# Altium PCB higgs.PcbDoc (part 11 of 25) (continued)
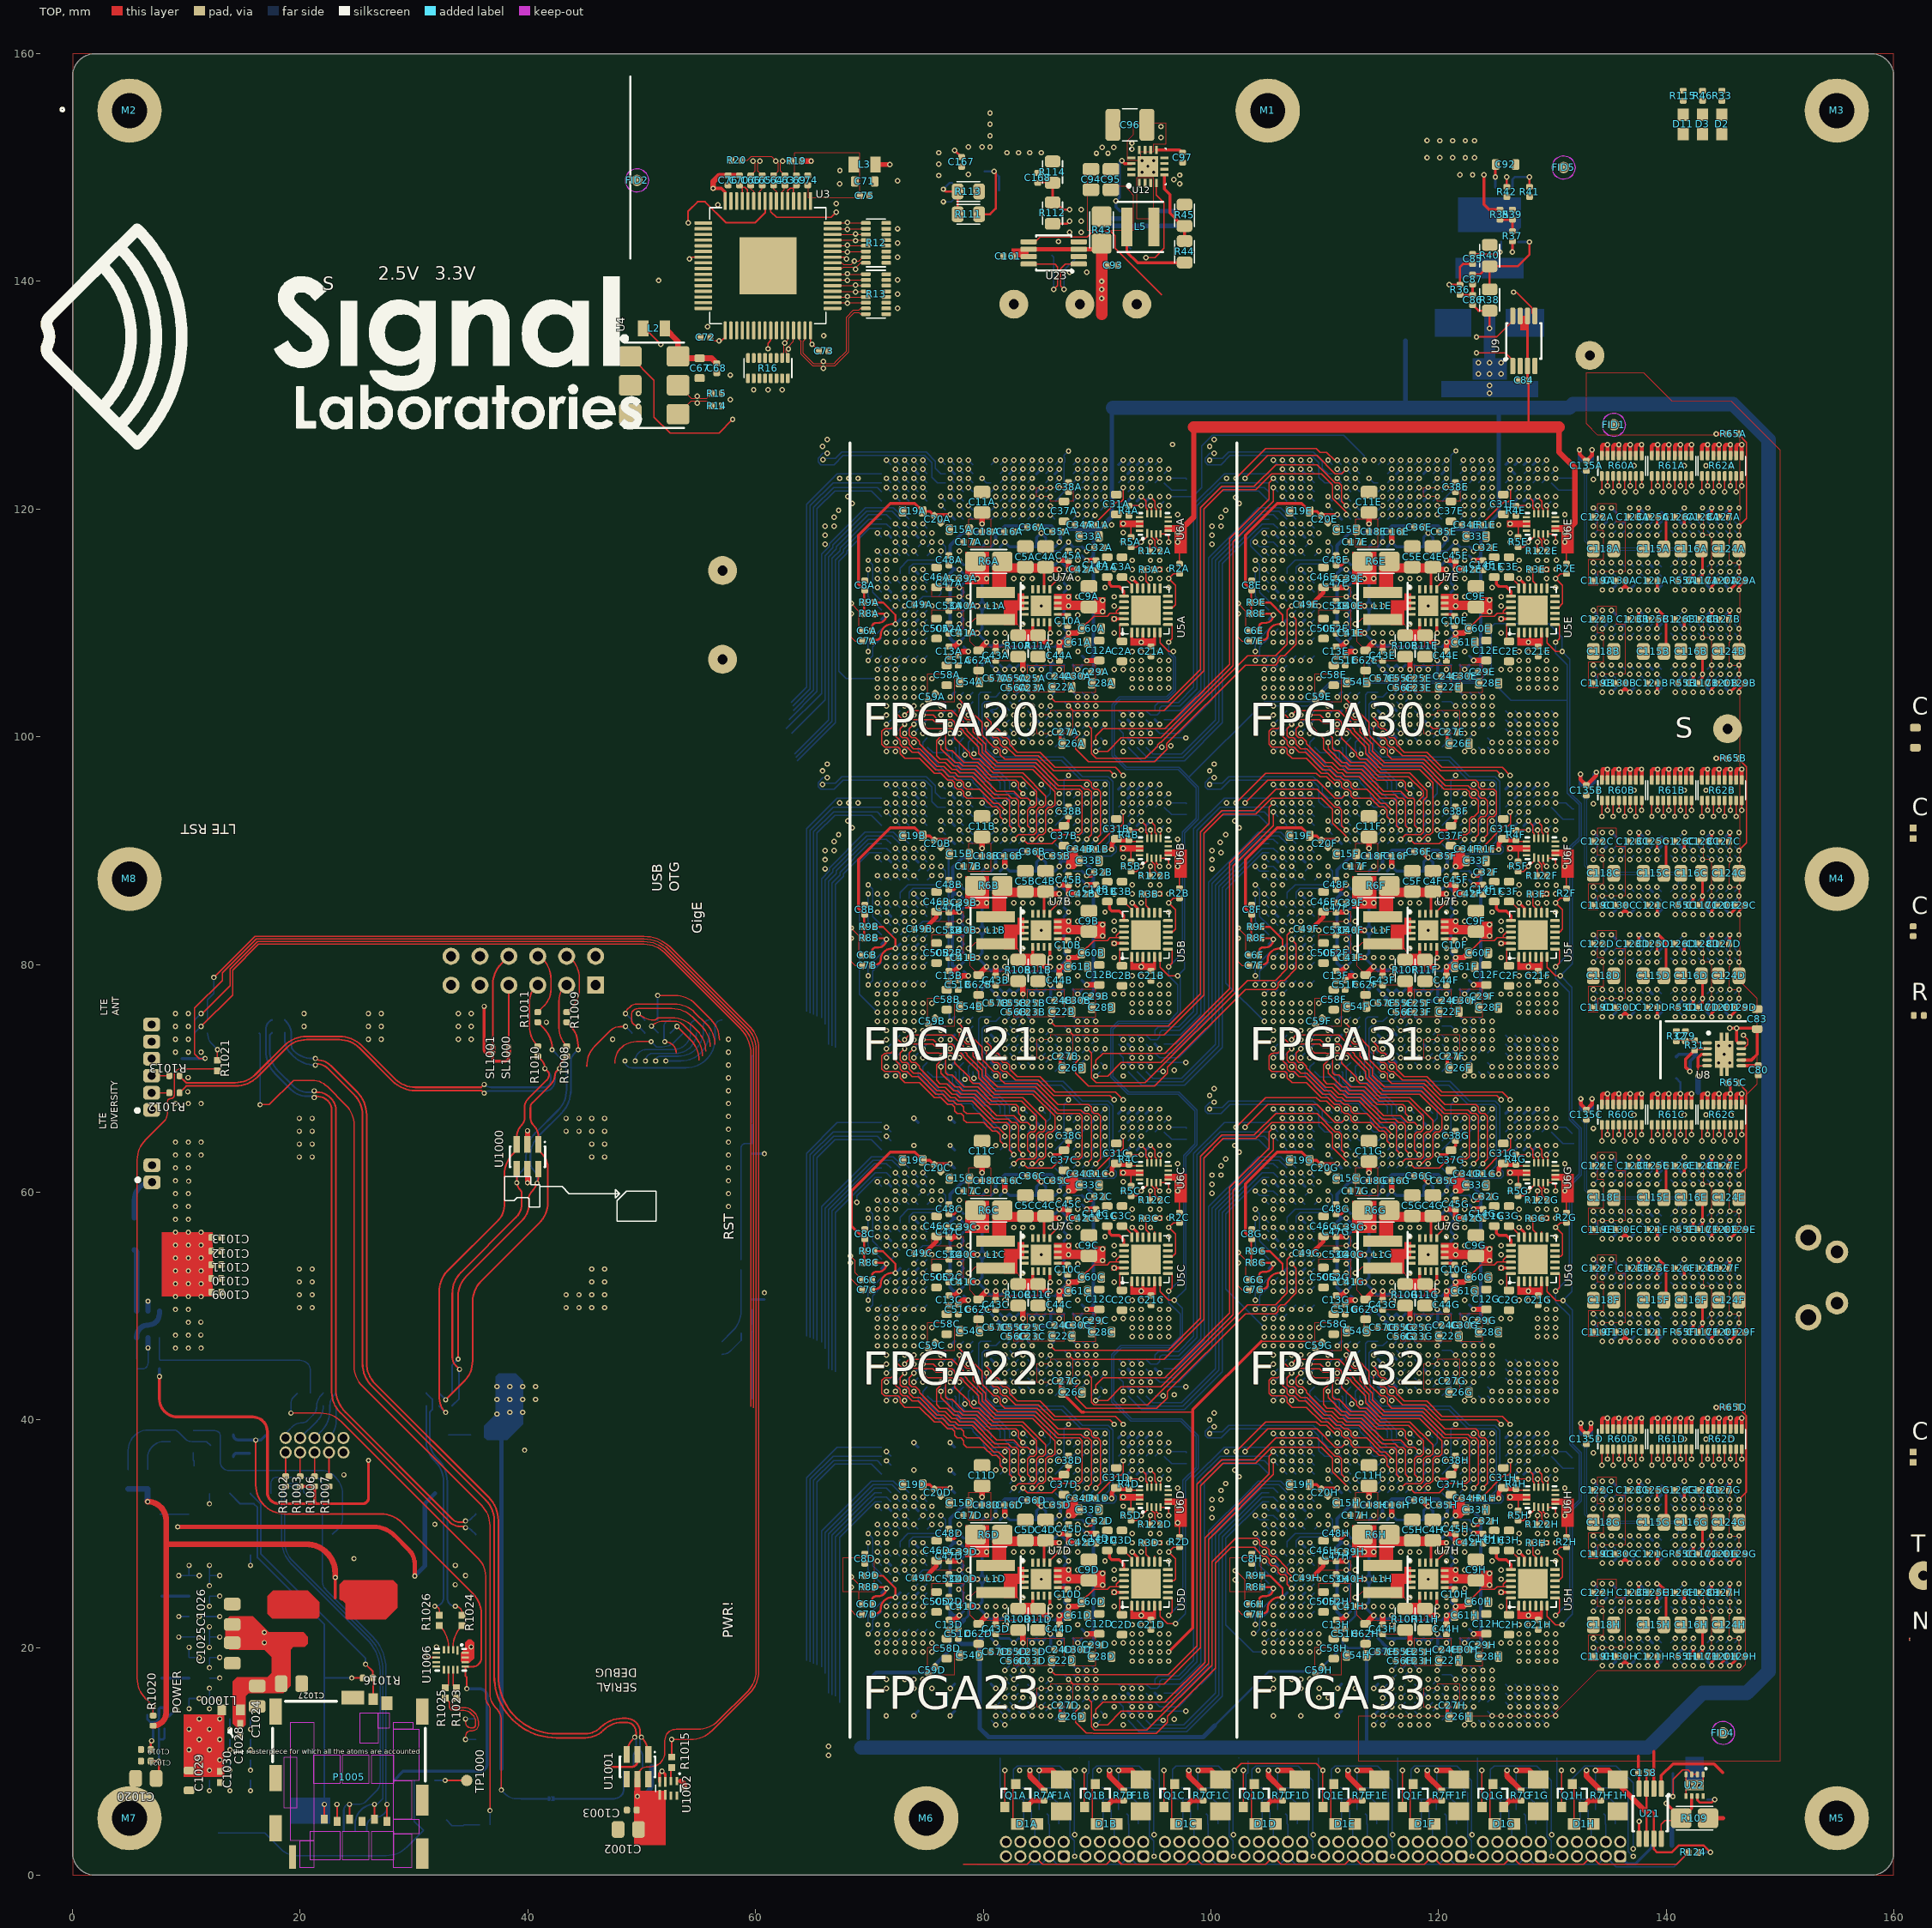
[diagram p0: TOP view]
## Nets (pads, with @x,y where several pads share a name; then routed paths per layer and width w, separated by ;. In a path a pad name is that pad's centre, name@x,y a point inside that pad or via, vN(x,y) a via of type N, cw(c..) or ccw(c..) an arc to the next point about the centre after c; other vN are vias at no path point) (continued)
  BOT w0.102: U1C.AB31@87.9,42.9 v1(88.3,43.3) ; v1(107.1,53.7) U1G.D17@107.5,54.1
IL07_32.LR.G3.S_P: U1C.AC30 U1G.C17 | length 28.8
  TOP w0.102: v1(89.1,44.1) 89.499,43.701 89.499,41.536 89.735,41.301 94.436,41.301 103.236,50.101 105.665,50.101 106.699,51.135 106.699,54.099 v1(107.1,54.5)
  BOT w0.102: U1C.AC30@88.7,43.7 v1(89.1,44.1) ; U1G.C17@106.7,54.1 v1(107.1,54.5)
IL07_32.TB.G8.D0_N: U1C.AG29 U1G.D9 | length 27.1
  S2(H) w0.102: v1(92.3,44.1) 92.699,44.499 96.323,44.499 101.981,50.157 101.981,50.981 103.501,52.501 103.501,57.865 103.735,58.099 104.064,58.099 104.301,58.336 104.301,58.665 104.535,58.899 104.864,58.899 105.099,59.135 105.099,59.464 105.335,59.699 105.599,59.699 105.601,59.701 105.665,59.701 105.9,59.936 105.9,60.264 106.135,60.499 106.464,60.499 106.864,60.9 v1(107.1,60.9)
  BOT w0.102: U1C.AG29@91.9,44.5 v1(92.3,44.1) ; v1(107.1,60.9) U1G.D9@107.5,60.5
IL07_32.TB.G8.D0_P: U1C.AG28 U1G.F9 | length 34.2
  S2(H) w0.102: v1(92.3,44.9) 91.901,44.501 91.901,43.935 92.936,42.899 93.265,42.899 93.501,42.664 93.501,42.199 93.999,41.701 97.165,41.701 102.895,47.431 102.895,50.602 105.592,53.299 107.264,53.299 107.499,53.535 107.499,55.135 107.501,55.136 107.501,57.065 107.735,57.299 108.064,57.299 108.301,57.536 108.301,58.274 109.099,59.073 109.099,60.501 v1(108.7,60.9)
  BOT w0.102: U1C.AG28@91.9,45.3 v1(92.3,44.9) ; v1(108.7,60.9) U1G.F9@109.1,60.5
IL07_32.TB.G8.D1_N: U1C.AH28 U1G.A9 | length 23.6
  S2(H) w0.102: v1(93.1,44.9) 93.69,45.49 96.452,45.49 101.371,50.409 101.371,51.233 102.891,52.753 102.891,58.487 104.3,59.895 104.3,60.5 v1(104.7,60.9)
  BOT w0.102: U1C.AH28@92.7,45.3 v1(93.1,44.9) ; v1(104.7,60.9) U1G.A9@105.1,60.5
IL07_32.TB.G8.D1_P: U1C.AJ28 U1G.C9 | length 24.2
  S2(H) w0.102: v1(93.9,44.9) 96.293,44.9 101.676,50.283 101.676,51.107 103.196,52.627 103.196,58.361 104.535,59.699 104.864,59.699 105.099,59.935 105.099,60.264 105.335,60.499 105.581,60.499 ; 105.582,60.5 105.664,60.5 106.064,60.9 v1(106.3,60.9)
  BOT w0.102: U1C.AJ28@93.5,45.3 v1(93.9,44.9) ; v1(106.3,60.9) U1G.C9@106.7,60.5
IL07_32.TB.G8.D2_N: U1C.AG30 U1G.C11 | length 28.7
  S6(H) w0.102: v1(92.3,42.5) 92.701,42.901 93.265,42.901 93.499,43.135 93.499,43.464 93.735,43.699 93.898,43.699 93.9,43.701 94.865,43.701 95.099,43.935 95.099,43.999 95.101,44.001 95.101,44.265 95.717,44.882 96.889,44.882 101.914,49.908 101.914,58.679 102.936,59.7 105.9,59.7 v1(106.3,59.3)
  BOT w0.102: U1C.AG30@91.9,43.7 92.3,43.3 v1(92.3,42.5) ; v1(106.3,59.3) U1G.C11@106.7,58.9
IL07_32.TB.G8.D2_P: U1C.AH30 U1G.D11 | length 28.6
  S6(H) w0.102: v1(93.1,43.3) 93.1,43.536 93.499,43.935 93.499,44.099 ; 93.5,44.1 93.5,44.264 93.736,44.5 94.064,44.5 94.751,45.186 96.762,45.186 101.61,50.034 101.61,58.805 103.304,60.499 104.699,60.499 ; 104.7,60.5 106.464,60.5 106.699,60.265 106.699,59.701 v1(107.1,59.3)
  BOT w0.102: U1C.AH30@92.7,43.7 v1(93.1,43.3) ; v1(107.1,59.3) U1G.D11@107.5,58.9
IL07_32.TB.G8.D3_N: U1C.AK30 U1G.C10 | length 25.8
  S2(H) w0.102: v1(94.7,43.3) 95.986,43.3 102.59,49.904 102.59,50.728 105.101,53.239 105.101,57.065 105.335,57.299 105.704,57.299 107.499,59.095 107.499,59.299 ; v1(106.3,60.1) 106.536,60.1 106.935,60.499 107.265,60.499 107.5,60.264 107.5,59.3
  BOT w0.102: U1C.AK30@94.3,43.7 v1(94.7,43.3) ; v1(106.3,60.1) U1G.C10@106.7,59.7
IL07_32.TB.G8.D3_P: U1C.AK29 U1G.D10 | length 24.3
  S2(H) w0.102: v1(94.7,44.1) 95.099,43.701 95.956,43.701 102.286,50.03 102.286,50.855 104.301,52.87 104.301,57.865 104.535,58.099 104.864,58.099 105.099,58.335 105.099,58.399 105.101,58.401 105.101,58.665 105.335,58.899 105.664,58.899 105.899,59.135 105.899,59.299 105.901,59.301 105.901,59.465 106.135,59.699 106.701,59.699 107.1,60.098 v1(107.1,60.1)
  BOT w0.102: U1C.AK29@94.3,44.5 v1(94.7,44.1) ; v1(107.1,60.1) U1G.D10@107.5,59.7
IL07_32.TB.G13.C_N: U1C.AE32 U1G.B4 | length 33.4
  TOP w0.102: v1(89.9,41.7) 90.936,41.7 92.135,42.899 92.199,42.899 92.2,42.9 95.605,42.9 101.951,49.246 101.951,60.151 105.5,63.7 v1(105.5,64.9)
  BOT w0.102: v1(89.9,41.7) U1C.AE32@90.3,42.1 ; v1(105.5,64.9) U1G.B4@105.9,64.5
IL07_32.TB.G13.C_P: U1C.AD32 U1G.B3 | length 34
  TOP w0.102: v1(89.9,42.5) 89.9,43.064 90.535,43.699 95.973,43.699 101.646,49.373 101.646,60.415 105.101,63.87 105.101,65.301 v1(105.5,65.7)
  BOT w0.102: U1C.AD32@89.5,42.1 v1(89.9,42.5) ; v1(105.5,65.7) U1G.B3@105.9,65.3
IL07_32.TB.G13.D0_N: U1C.AK28 U1G.A3 | length 29.1
  BOT w0.102: U1C.AK28@94.3,45.3 94.7,44.9 95.266,44.9 95.5,45.134 95.5,45.5 95.6,45.6 95.635,45.6 95.734,45.7 96.066,45.7 96.161,45.605 97.181,45.605 98.805,47.229 98.805,63.291 100.814,65.3 U1G.A3@105.1,65.3
IL07_32.TB.G13.D0_P: U1C.AL28 U1G.A2 | length 28.3
  BOT w0.102: U1C.AL28@95.1,45.3 95.1,45.7 95.405,46.005 97.149,46.005 98.5,47.355 98.5,63.417 101.183,66.1 U1G.A2@105.1,66.1
IL07_32.TB.G13.D1_N: U1C.AM29 U1G.A5 | length 27.3
  BOT w0.102: U1C.AM29@95.9,44.5 96.938,44.5 99.414,46.977 99.414,63.039 100.976,64.6 104.2,64.6 U1G.A5@105.1,63.7
IL07_32.TB.G13.D1_P: U1C.AM28 U1G.A4 | length 26.9
  BOT w0.102: U1C.AM28@95.9,45.3 97.307,45.3 99.11,47.103 99.11,63.165 100.85,64.905 104.695,64.905 U1G.A4@105.1,64.5
IL07_32.TB.G13.D2_N: U1C.AL30 U1G.C7 | length 27.4
  BOT w0.102: U1C.AL30@95.1,43.7 95.5,43.3 95.9,43.3 97.162,43.3 100.105,46.243 100.105,58.593 103.23,61.718 104.316,62.805 105.995,62.805 U1G.C7@106.7,62.1
IL07_32.TB.G13.D2_P: U1C.AM30 U1G.D7 | length 27
  BOT w0.102: U1C.AM30@95.9,43.7 96.7,43.7 99.8,46.8 99.8,58.72 103.103,62.023 104.19,63.109 106.122,63.109 106.731,62.5 107.1,62.5 U1G.D7@107.5,62.1
IL07_32.TB.G13.D3_N: U1C.AJ32 U1G.A7 | length 28.8
  BOT w0.102: U1C.AJ32@93.5,42.1 94.41,41.19 97.553,41.19 100.714,44.352 100.714,58.341 103.482,61.109 104.473,62.1 U1G.A7@105.1,62.1
IL07_32.TB.G13.D3_P: U1C.AK32 U1G.B7 | length 28.9
  BOT w0.102: U1C.AK32@94.3,42.1 94.905,41.495 97.426,41.495 100.41,44.479 100.41,58.467 103.356,61.414 104.442,62.5 105.5,62.5 U1G.B7@105.9,62.1
IL07_32.TB.G13.D4_N: U1C.AJ31 U1G.E8 | length 28.8
  S6(H) w0.102: v1(93.9,42.5) 94.3,42.9 94.864,42.9 95.709,43.745 96.183,43.745 102.795,50.357 102.795,53.631 102.799,53.635 102.799,53.965 102.795,53.969 102.795,54.531 102.799,54.535 102.799,54.865 102.795,54.869 102.795,57.96 103.735,58.899 103.799,58.899 ; 103.8,58.9 106.3,58.9 ; 106.301,58.901 107.265,58.901 107.499,59.135 107.499,59.299 107.501,59.301 107.501,61.301 v1(107.9,61.7)
  BOT w0.102: U1C.AJ31@93.5,42.9 v1(93.9,42.5) ; v1(107.9,61.7) U1G.E8@108.3,61.3
IL07_32.TB.G13.D4_P: U1C.AK31 U1G.F8 | length 28.9
  S6(H) w0.102: v1(94.7,42.5) 94.895,42.5 95.835,43.44 96.309,43.44 103.1,50.231 103.1,53.505 103.104,53.508 103.104,54.092 103.1,54.095 103.1,54.405 103.104,54.408 103.104,54.992 103.1,54.995 103.1,57.464 103.735,58.099 107.699,58.099 108.301,58.701 108.301,61.301 v1(108.7,61.7)
  BOT w0.102: U1C.AK31@94.3,42.9 v1(94.7,42.5) ; v1(108.7,61.7) U1G.F8@109.1,61.3
IL07_32.TB.G13.D5_N: U1C.AL32 U1G.C8 | length 34.7
  S6(H) w0.102: v1(95.8,42.1) 96.099,41.801 97.265,41.801 104.299,48.835 104.299,49.799 104.301,49.801 104.301,56.265 104.535,56.499 108.864,56.499 109.9,57.536 109.9,60.7 ; v1(106.3,61.7) 106.3,61.8 106.982,62.482 108.914,62.482 109.899,61.496 109.899,60.701
  BOT w0.102: U1C.AL32@95.1,42.1 v1(95.8,42.1) ; v1(106.3,61.7) U1G.C8@106.7,61.3
IL07_32.TB.G13.D5_P: U1C.AM31 U1G.D8 | length 30.9
  S6(H) w0.102: v1(97.8,42.9) 103.405,48.505 103.405,53.378 103.409,53.382 103.409,54.218 103.405,54.222 103.405,54.278 103.409,54.282 103.409,55.118 103.405,55.122 103.405,56.205 104.5,57.3 108.864,57.3 109.1,57.536 109.1,61.864 108.865,62.099 107.801,62.099 107.8,62.1 107.5,62.1 v1(107.1,61.7)
  BOT w0.102: U1C.AM31@95.9,42.9 v1(97.8,42.9) ; v1(107.1,61.7) U1G.D8@107.5,61.3
IL07_32.TB.G13.D6: U1C.AH32 U1G.B8 | length 30.7
  BOT w0.102: U1C.AH32@92.7,42.1 93.914,40.886 97.679,40.886 101.019,44.226 101.019,58.215 103.608,60.804 104.505,61.7 105.5,61.7 U1G.B8@105.9,61.3
IL07_33.LR.G0.D0_N: U1D.U26 U1H.D5 | length 40
  S2(H) w0.102: v1(84.3,18) 84.3,19.036 85.499,20.235 85.499,28.564 85.735,28.799 97.669,28.799 99.023,30.153 99.023,34.578 100.845,36.4 104.936,36.4 105.336,35.999 106.701,35.999 v1(107.1,35.6)
  BOT w0.102: U1D.U26@83.9,18.4 v1(84.3,18) ; v1(107.1,35.6) U1H.D5@107.5,35.2
IL07_33.LR.G0.D0_P: U1D.U27 U1H.C5 | length 38.8
  S2(H) w0.102: v1(84.3,17.2) 84.3,17.436 84.699,17.835 84.699,19.004 85.804,20.108 85.804,20.539 86.299,21.035 86.299,27.764 86.535,27.999 97.301,27.999 99.328,30.027 99.328,34.452 100.971,36.095 104.809,36.095 105.305,35.6 v1(106.3,35.6)
  BOT w0.102: U1D.U27@83.9,17.6 v1(84.3,17.2) ; v1(106.3,35.6) U1H.C5@106.7,35.2
IL07_33.LR.G0.D1_N: U1D.T27 U1H.C3 | length 45.6
  S2(H) w0.102: 82.3,17.6 82.3,19.1 83.099,19.899 83.099,20.399 ; 82.301,17.599 82.301,17.035 82.535,16.801 83.399,16.801 83.4,16.8 83.664,16.8 83.899,17.035 83.899,17.599 83.5,17.998 v1(83.5,18) ; 83.1,20.4 83.1,28.564 85.736,31.2 96.786,31.2 96.935,31.349 97.265,31.349 97.266,31.35 97.275,31.35 98.109,32.184 98.109,34.957 101.741,38.59 104.715,38.59 105.02,38.284 105.4,37.904 105.792,37.904 106.3,37.395 v1(106.3,37.2)
  BOT w0.102: U1D.T27@83.1,17.6 v1(83.5,18) ; v1(106.3,37.2) U1H.C3@106.7,36.8
IL07_33.LR.G0.D1_P: U1D.R27 U1H.C4 | length 40.9
  S2(H) w0.102: v1(82.7,17.2) 83.1,17.6 83.1,18.636 84.699,20.235 84.699,20.499 ; 84.7,20.5 84.7,28.2 86.099,29.599 98.038,29.599 98.718,30.279 98.718,34.705 100.814,36.8 105.664,36.8 106.064,36.4 v1(106.3,36.4)
  BOT w0.102: U1D.R27@82.3,17.6 v1(82.7,17.2) ; v1(106.3,36.4) U1H.C4@106.7,36
IL07_33.LR.G0.D2_N: U1D.T26 U1H.E4 | length 42.6
  S2(H) w0.102: v1(82.7,18) 82.7,19.036 83.899,20.235 83.899,20.399 ; 83.9,20.4 83.9,28.564 85.736,30.401 97.386,30.401 98.414,31.428 98.414,34.831 101.182,37.599 105.665,37.599 105.899,37.365 105.899,37.036 106.135,36.801 107.499,36.801 v1(107.9,36.4)
  BOT w0.102: v1(82.7,18) U1D.T26@83.1,18.4 ; v1(107.9,36.4) U1H.E4@108.3,36
IL07_33.LR.G0.D2_P: U1D.R26 U1H.D4 | length 46.6
  S2(H) w0.102: v1(81.9,18) 81.9,19.836 82.299,20.235 82.299,22.3 82.301,22.302 82.301,28.565 85.735,31.999 96.095,31.999 97.804,33.708 97.804,35.083 101.615,38.894 104.841,38.894 105.336,38.399 107.735,38.399 108.065,38.399 108.299,38.165 108.299,36.4 108.299,36.235 108.065,36.001 107.499,36.001 v1(107.1,36.4)
  BOT w0.102: v1(81.9,18) U1D.R26@82.3,18.4 ; v1(107.1,36.4) U1H.D4@107.5,36
IL07_33.LR.G0.D3_N: U1D.P29 U1H.F5 | length 51.6
  S2(H) w0.102: v1(81.1,15.6) 80.7,16 80.7,28.564 85.635,33.499 91.3,33.499 91.801,34 96.3,34 97.066,34.766 97.066,34.777 97.194,34.905 97.194,35.336 101.362,39.504 108.796,39.504 109.404,38.896 109.404,36.304 v1(108.7,35.6)
  BOT w0.102: v1(81.1,15.6) U1D.P29@81.5,16 ; v1(108.7,35.6) U1H.F5@109.1,35.2
IL07_33.LR.G0.D3_P: U1D.P28 U1H.F4 | length 48.6
  S2(H) w0.102: v1@81.9,16.4 81.5,16.8 81.5,28.195 85.608,32.304 91.639,32.304 92.135,32.799 92.399,32.799 ; v1@81.901,16.401 v1(81.906,16.401) ; 92.4,32.8 96.464,32.8 97.499,33.835 97.499,35.21 101.489,39.199 108.065,39.199 108.301,38.964 108.301,38.635 108.536,38.399 108.865,38.399 109.099,38.165 109.099,36.799 v1(108.7,36.4)
  BOT w0.102: U1D.P28@81.5,16.8 v1@81.9,16.4 ; v1@81.901,16.401 v1(81.906,16.401) ; v1(108.7,36.4) U1H.F4@109.1,36
IL07_33.LR.G0.D4_N: U1D.U28 U1H.D2 | length 42
  S6(H) w0.102: v1(84.306,16.401) 84.706,16.801 85.265,16.801 85.499,17.035 85.499,19.95 85.499,23.764 85.735,23.999 88.399,23.999 90.501,26.101 90.665,26.101 90.964,26.399 91.664,26.399 92.465,27.201 96.639,27.201 98.998,29.56 98.998,34.984 101.613,37.599 105.665,37.599 105.899,37.365 105.899,37.036 106.135,36.801 107.265,36.801 107.499,37.035 107.499,37.601 v1(107.1,38)
  BOT w0.102: U1D.U28@83.9,16.8 84.299,16.401 v1(84.306,16.401) ; v1(107.1,38) U1H.D2@107.5,37.6
  other v1: 101.4,37.2
IL07_33.LR.G0.D4_P: U1D.T29 U1H.D3 | length 43.1
  S6(H) w0.102: v1(82.7,15.6) 82.936,15.6 83.484,16.148 83.627,16.148 83.811,16.332 83.811,16.631 83.899,16.719 83.899,17.175 ; 83.899,17.175 83.899,17.364 84.135,17.599 84.464,17.599 84.699,17.835 84.699,24.099 85.401,24.801 88.465,24.801 90.101,26.436 90.101,26.665 90.636,27.201 91.401,27.201 92.201,28.001 97.008,28.001 98.693,29.686 98.693,35.11 101.583,38 101.592,38 102.153,38.562 104.743,38.562 105.21,38.094 105.641,38.094 106.136,37.599 106.701,37.599 v1(107.1,37.2)
  BOT w0.102: v1(82.7,15.6) U1D.T29@83.1,16 ; v1(107.1,37.2) U1H.D3@107.5,36.8
IL07_33.LR.G0.S_N: U1D.T28 U1H.C2 | length 42
  S6(H) w0.102: v1@82.8,16.495 v1(82.706,16.401) 83.151,16.401 83.404,16.654 83.404,17.304 83.901,17.801 83.901,18.165 84.175,18.439 84.175,19.961 83.901,20.235 83.901,20.399 83.901,20.601 84.364,21.064 84.364,24.664 85.301,25.601 88.136,25.601 90.736,28.2 91.969,28.2 92.075,28.306 92.23,28.306 92.725,28.801 97.101,28.801 98.109,29.809 98.109,35.151 101.824,38.866 104.869,38.866 105.336,38.399 105.899,38.399 106.298,38 v1(106.3,38)
  BOT w0.102: v1(82.706,16.401) 82.706,16.406 U1D.T28@83.1,16.8 ; v1(106.3,38) U1H.C2@106.7,37.6
IL07_33.LR.G0.S_P: U1D.R29 U1H.B1 | length 42.3
  S6(H) w0.102: v1(81.9,15.6) 82.305,16.005 82.305,16.599 82.506,16.8 82.864,16.8 83.099,17.035 83.099,20.564 83.313,20.777 83.313,20.913 83.899,21.499 83.899,25.364 84.936,26.401 88.465,26.401 90.664,28.6 91.8,28.6 92.5,29.3 92.8,29.6 96.83,29.6 97.804,30.574 97.804,35.277 101.698,39.171 105.3,39.171 105.5,38.971 v1(105.5,38.8)
  BOT w0.102: v1(81.9,15.6) U1D.R29@82.3,16 ; v1(105.5,38.8) U1H.B1@105.9,38.4
IL07_33.LR.G1.D0_N: U1D.P30 U1H.E1 | length 46.5
  S6(H) w0.102: v1(81.1,14.8) 81.501,15.201 81.501,16.56 81.741,16.8 82.075,16.8 82.301,17.026 82.301,17.85 82.301,20.701 83.1,21.5 83.1,25.538 84.763,27.201 88.601,27.201 91.801,30.401 97.2,30.401 97.499,30.7 97.499,35.404 101.571,39.476 107.224,39.476 v1(107.9,38.8)
  BOT w0.102: v1(81.1,14.8) U1D.P30@81.5,15.2 ; v1(107.9,38.8) U1H.E1@108.3,38.4
IL07_33.LR.G1.D0_P: U1D.P31 U1H.F2 | length 49.6
  S6(H) w0.102: v1(81.9,14) 81.499,14.401 80.935,14.401 80.701,14.635 80.701,14.999 80.7,15 80.7,16.564 80.936,16.8 81.264,16.8 81.501,17.037 81.501,20.332 82.251,21.082 82.251,21.549 82.604,21.902 82.604,25.473 85.132,28.001 88.502,28.001 91.702,31.201 96.465,31.201 96.701,31.436 96.701,35.036 101.445,39.781 107.484,39.781 108.299,38.965 108.299,38.702 108.301,38.7 108.301,38.401 108.7,38.002 v1(108.7,38)
  BOT w0.102: U1D.P31@81.5,14.4 v1(81.9,14) ; v1(108.7,38) U1H.F2@109.1,37.6
IL07_33.LR.G1.D1_N: U1D.T30 U1H.H1 | length 45.2
  S6(H) w0.102: v1@83.61,15.7 83.909,15.999 85.269,15.999 85.505,16.235 85.505,16.564 85.741,16.8 86.11,16.8 86.301,16.991 86.301,21.123 86.299,21.125 86.299,21.835 88.159,23.694 88.525,23.694 89.931,25.1 91.164,25.1 92.961,26.896 96.765,26.896 99.303,29.434 99.303,34.858 101.245,36.8 105.664,36.8 105.899,36.565 105.899,36.401 105.901,36.399 105.901,36.235 106.136,35.999 107.264,35.999 107.501,36.236 107.501,36.565 107.736,36.801 108.065,36.801 108.299,37.035 108.299,37.364 108.536,37.601 108.865,37.601 109.099,37.835 109.099,38.401 109.498,38.8 v1(110.3,38.8)
  BOT w0.102: U1D.T30@83.1,15.2 v1(83.5,15.6) ; v1(110.3,38.8) U1H.H1@110.7,38.4
IL07_33.LR.G1.D1_P: U1D.R30 U1H.F1 | length 50.1
  S6(H) w0.102: v1@82.81,14.855 83.156,15.201 84.465,15.201 86.065,15.201 86.299,15.435 86.299,15.498 ; 86.3,15.499 86.3,16.23 86.305,16.235 86.305,16.564 86.794,17.053 86.794,19.025 87.099,19.33 87.099,22.199 88.29,23.39 88.652,23.39 89.662,24.4 91.614,24.4 93.806,26.591 96.891,26.591 99.607,29.307 99.607,34.732 101.371,36.495 104.84,36.495 106.135,35.201 107.265,35.201 107.499,35.435 107.499,35.764 107.735,35.999 107.898,35.999 107.9,36.001 108.065,36.001 108.299,36.235 108.299,36.564 108.536,36.801 108.865,36.801 109.099,37.035 109.099,37.404 109.41,37.715 110.015,37.715 110.7,38.4 110.7,39.1 110.505,39.295 109.195,39.295 v1(108.7,38.8)
  BOT w0.102: U1D.R30@82.3,15.2 v1(82.7,14.8) ; v1(108.7,38.8) U1H.F1@109.1,38.4
IL07_33.LR.G1.D2_N: U1D.P32 U1H.H3 | length 52.8
  S1(V) w0.102: v1(81.9,13.2) 82.3,13.6 82.3,16.23 82.305,16.235 82.305,16.566 82.3,16.571 82.3,21 86.901,25.601 88.096,25.601 91.295,28.799 96.5,28.799 97.804,30.103 97.804,33.201 100.205,35.602 100.205,38.425 100.394,38.615 v1@100.394,39.306
  BOT w0.102: U1D.P32@81.5,13.6 v1(81.9,13.2) ; v1(100.3,39.4) 99.936,39.4 99.501,38.965 99.501,38.635 99.735,38.401 100.901,38.401 101.699,39.199 108.865,39.199 108.932,39.132 109.5,38.566 109.5,37.3 110,36.8 U1H.H3@110.7,36.8
IL07_33.LR.G1.D2_P: U1D.N32 U1H.H2 | length 49.6
  S1(V) w0.102: v1(81.1,13.2) 81.499,13.599 81.499,21.035 86.865,26.401 88.465,26.401 90.9,28.836 90.9,29.7 92.401,31.201 96.786,31.201 96.935,31.349 96.936,31.361 97.499,31.924 97.499,33.328 99.9,35.729 v1(99.9,38.8)
  BOT w0.102: U1D.N32@80.7,13.6 v1(81.1,13.2) ; v1@99.933,38.933 101.002,38.933 101.573,39.504 108.993,39.504 109.805,38.692 109.805,38.1 110.305,37.6 U1H.H2@110.7,37.6
IL07_33.LR.G1.D3_N: U1D.Y30 U1H.K3 | length 42.7
  S1(V) w0.102: v1(85.9,15.6) 85.499,16.001 85.499,16.229 85.505,16.235 85.505,16.566 85.499,16.572 85.499,20.099 87.001,21.601 90.065,21.601 93.501,25.036 93.501,25.365 93.736,25.6 96.793,25.6 99.023,27.83 99.023,31.723 99.5,32.2 v1(100.1,32.2)
  S5(V) w0.102: v1(100.1,32.2) 100.5,32.6 100.5,33.164 100.736,33.401 103.166,33.401 103.974,34.209 109,34.209 109.901,35.11 109.901,36.1 110.6,36.799 111.264,36.799 111.664,37.2 v1(111.9,37.2)
  BOT w0.102: v1(85.9,15.6) U1D.Y30@86.3,15.2 ; v1(111.9,37.2) U1H.K3@112.3,36.8
IL07_33.LR.G1.D3_P: U1D.W30 U1H.J3 | length 44
  S1(V) w0.102: v1(85.1,14.8) 84.701,15.199 84.701,16.231 84.705,16.235 84.705,16.566 84.701,16.57 84.701,20.901 86.2,22.4 86.699,22.4 ; 86.7,22.401 89.615,22.401 94.109,26.894 97.656,26.894 98.718,27.956 98.718,32.809 99.71,33.8 v1(100.9,33.8)
  S5(V) w0.102: v1(100.9,33.8) 103.134,33.8 103.848,34.514 108.874,34.514 109.596,35.236 109.596,36.226 110.57,37.2 v1(111.1,37.2)
  BOT w0.102: v1(85.1,14.8) U1D.W30@85.5,15.2 ; v1(111.1,37.2) U1H.J3@111.5,36.8
IL07_33.LR.G1.D4_N: U1D.U30 U1H.L1 | length 53.5
  S1(V) w0.102: v1(84.3,14.8) 83.901,15.199 83.901,16.231 83.905,16.235 83.905,16.566 83.901,16.57 83.901,21.739 85.362,23.2 89.2,23.2 91.1,25.1 91.1,26.799 ; 91.101,26.8 91.101,26.965 91.335,27.199 96.1,27.199 96.102,27.201 96.465,27.201 98.414,29.149 98.414,32.945 98.975,33.507 98.975,33.511 100.814,35.35 100.814,37.3 101.3,37.786 101.3,39.469 100.3,40.469 v1(100.3,40.6)
  S6(H) w0.102: v1(100.3,40.6) 111.6,40.6 112.7,39.5 v1(112.7,38.8)
  BOT w0.102: U1D.U30@83.9,15.2 v1(84.3,14.8) ; v1(112.7,38.8) U1H.L1@113.1,38.4
IL07_33.LR.G1.D4_P: U1D.U31 U1H.K1 | length 52.7
  S1(V) w0.102: v1(84.3,14) 83.1,15.2 83.1,16.23 83.105,16.235 83.105,16.566 83.1,16.571 83.1,21.369 85.73,23.999 88.624,23.999 90.101,25.476 90.101,26.665 90.636,27.201 90.865,27.201 91.665,28.001 96.465,28.001 98.109,29.644 98.109,33.075 100.51,35.476 100.51,38.299 100.699,38.489 100.699,39.565 100.264,40 v1(99.9,40)
  S2(H) w0.102: v1(99.9,40) 106.369,40 106.474,39.895 110.985,39.895 111.9,38.98 v1(111.9,38.8)
  BOT w0.102: U1D.U31@83.9,14.4 v1(84.3,14) ; v1(111.9,38.8) U1H.K1@112.3,38.4
IL07_33.LR.G1.S_N: U1D.T31 U1H.J1 | length 48.7
  TOP w0.102: v1(102.2,37.2) 104.8,39.8 109.28,39.8 109.585,39.495 110.169,39.495 110.864,38.8 v1(111.1,38.8)
  S1(V) w0.102: v1(83.5,14) 83.899,13.601 86.545,13.601 87.901,14.956 87.901,14.965 88.135,15.199 88.464,15.199 88.699,15.435 88.699,16.229 88.705,16.235 88.705,16.566 88.704,16.568 88.936,16.801 89.265,16.801 89.501,17.036 89.501,17.365 89.735,17.599 89.9,17.599 89.902,17.601 90.065,17.601 90.364,17.9 90.5,17.9 92.599,19.999 97.506,19.999 99.186,21.679 99.186,25.779 101.309,27.902 101.309,31.047 101.699,31.437 101.699,34.565 101.3,34.964 101.3,36.3 v1(102.2,37.2)
  BOT w0.102: U1D.T31@83.1,14.4 v1(83.5,14) ; v1(111.1,38.8) U1H.J1@111.5,38.4
IL07_33.LR.G1.S_P: U1D.R32 U1H.K2 | length 51
  TOP w0.102: v1(103,37.2) 104.999,39.199 109.336,39.199 110.935,37.601 111.501,37.601 v1(111.9,38)
  S1(V) w0.102: v1(82.7,14) 84.075,12.625 86.689,12.625 88.699,14.635 88.699,14.948 88.701,14.95 88.701,14.965 88.935,15.199 89.264,15.199 89.499,15.435 89.499,16.229 89.505,16.235 89.505,16.566 89.504,16.568 89.736,16.801 90.299,16.801 90.698,17.2 90.7,17.2 92.7,19.2 97.138,19.2 99.49,21.553 99.49,25.653 101.7,27.862 101.7,30.962 102.1,31.362 102.1,34.8 101.7,35.2 101.7,35.9 v1(103,37.2)
  BOT w0.102: U1D.R32@82.3,13.6 v1(82.7,14) ; v1(111.9,38) U1H.K2@112.3,37.6
IL07_33.LR.G2.D0_N: U1D.Y27 U1H.K7 | length 45.7
  TOP w0.102: v1(87.5,17.2) 87.899,16.801 95.901,16.801 99.1,20 99.1,34.2 101.1,36.2 103.936,36.2 105.336,37.6 109.705,37.6 110.699,36.605 110.699,35.601 110.701,35.599 110.701,35.435 111.9,34.236 v1(111.9,34)
  BOT w0.102: U1D.Y27@86.3,17.6 87.1,17.6 v1(87.5,17.2) ; v1(111.9,34) U1H.K7@112.3,33.6
IL07_33.LR.G2.D0_P: U1D.Y26 U1H.K6 | length 46.5
  TOP w0.102: v1(85.9,18) 86.3,17.6 96.269,17.6 98.795,20.126 98.795,34.326 100.974,36.505 103.809,36.505 105.704,38.399 109.336,38.399 110.935,36.801 111.198,36.801 111.2,36.799 111.265,36.799 111.499,36.565 111.499,36.236 111.501,36.235 111.501,35.199 v1(111.9,34.8)
  BOT w0.102: v1(85.9,18) U1D.Y26@86.3,18.4 ; v1(111.9,34.8) U1H.K6@112.3,34.4
IL07_33.LR.G2.D1_N: U1D.W28 U1H.L4 | length 38.4
  S2(H) w0.102: v1(85.9,17.2) 89.577,20.877 89.577,21.197 90.769,22.389 90.769,23.433 92.935,25.599 96.485,25.599 100.6,29.714 100.6,31.731 103.992,35.123 109.197,35.123 109.596,35.523 109.596,35.892 110.504,36.799 112.301,36.799 v1(112.7,36.4)
  BOT w0.102: U1D.W28@85.5,16.8 v1(85.9,17.2) ; v1(112.7,36.4) U1H.L4@113.1,36
IL07_33.LR.G2.D1_P: U1D.Y28 U1H.K5 | length 36.1
  S2(H) w0.102: v1(86.706,16.401) 86.706,16.958 86.7,16.964 90.186,20.451 90.186,20.944 93.053,23.81 95.559,23.81 101.21,29.461 101.21,31.479 104.245,34.514 109.449,34.514 110.136,35.201 111.501,35.201 v1(111.9,35.6)
  BOT w0.102: U1D.Y28@86.3,16.8 86.699,16.401 v1(86.706,16.401) ; v1(111.9,35.6) U1H.K5@112.3,35.2
IL07_33.LR.G2.D2_N: U1D.W29 U1H.N7 | length 41.1
  S2(H) w0.102: v1(85.906,16.401) 85.906,16.406 86.395,16.895 86.395,17.091 89.882,20.577 89.882,21.07 92.927,24.115 95.433,24.115 100.905,29.587 100.905,31.605 104.118,34.818 109.323,34.818 109.901,35.396 109.901,35.765 110.135,35.999 110.6,35.999 113.101,35.999 v1(115.1,34)
  BOT w0.102: U1D.W29@85.5,16 85.901,16.401 v1(85.906,16.401) ; U1H.N7@114.7,33.6 v1(115.1,34)
IL07_33.LR.G2.D2_P: U1D.Y29 U1H.N6 | length 46.7
  S6(H) w0.102: v1(86.7,15.6) 87.099,15.999 87.099,16.229 87.105,16.235 87.105,16.566 87.099,16.572 87.099,18.899 87.709,19.509 87.709,21.209 88.101,21.601 88.663,21.601 90.263,23.201 91.665,23.201 91.964,23.5 ; 91.96,23.504 93.055,24.6 98.256,24.6 100.315,26.66 100.315,30.815 104.396,34.896 107.761,34.896 108.299,35.435 108.299,35.498 108.301,35.5 108.301,35.765 108.535,35.999 109.099,35.999 109.901,36.801 112.936,36.801 113.736,37.601 114.464,37.601 115.501,36.564 115.501,35.201 v1(115.1,34.8)
  BOT w0.102: U1D.Y29@86.3,16 v1(86.7,15.6) ; U1H.N6@114.7,34.4 v1(115.1,34.8)
IL07_33.LR.G2.D3_N: U1D.AC27 U1H.P7 | length 38.2
  S2(H) w0.102: v1(89.1,17.2) 89.499,17.599 90.064,17.599 91.899,19.435 91.899,20.564 92.935,21.599 92.999,21.599 ; 93,21.6 96.464,21.6 96.65,21.786 96.735,21.701 97.065,21.701 97.299,21.935 97.299,22.265 97.214,22.35 98.182,23.318 98.182,24.71 102.429,28.956 102.429,30.974 104.254,32.799 110.598,32.799 110.6,32.801 115.101,32.801 115.9,33.6 v1(115.9,34)
  BOT w0.102: U1D.AC27@88.7,17.6 v1(89.1,17.2) ; U1H.P7@115.5,33.6 v1(115.9,34)
IL07_33.LR.G2.D3_P: U1D.AB26 U1H.P6 | length 39.1
  S2(H) w0.102: v1(88.3,18) 88.3,18.133 90.491,20.325 90.491,20.818 93.179,23.506 95.685,23.506 101.514,29.335 101.514,31.352 104.371,34.209 110.5,34.209 110.69,34.399 111,34.399 ; 111,34.4 111.8,34.4 112.065,34.401 112.299,34.635 112.299,34.964 112.535,35.199 113.336,35.199 114.935,33.601 115.265,33.601 115.5,33.836 115.5,34.4 v1(115.9,34.8)
  BOT w0.102: U1D.AB26@87.9,18.4 v1(88.3,18) ; U1H.P6@115.5,34.4 v1(115.9,34.8)
IL07_33.LR.G2.D4_N: U1D.AD26 U1H.L6 | length 34.9
  S2(H) w0.102: v1(89.9,18) 91.101,19.201 91.101,20.565 92.936,22.4 96.464,22.4 97.782,23.718 97.782,24.741 102.124,29.082 102.124,31.1 104.623,33.599 110.074,33.599 110.478,33.195 112.46,33.195 113.099,33.835 113.099,34.399 v1(112.7,34.8) v1(112.7,34.8)
  BOT w0.102: U1D.AD26@89.5,18.4 v1(89.9,18) ; v1(112.7,34.8) U1H.L6@113.1,34.4
IL07_33.LR.G2.D4_P: U1D.AC26 U1H.L7 | length 33.5
  S2(H) w0.102: v1(89.1,18) 90.796,19.696 90.796,20.692 93.305,23.201 95.811,23.201 101.819,29.209 101.819,31.226 104.497,33.904 110.201,33.904 110.605,33.5 112.2,33.5 v1(112.7,34)
  BOT w0.102: U1D.AC26@88.7,18.4 v1(89.1,18) ; v1(112.7,34) U1H.L7@113.1,33.6
IL07_33.LR.G2.S_N: U1D.AB27 U1H.N4 | length 41.4
  S6(H) w0.102: v1(88.3,17.2) 88.699,16.801 89.265,16.801 89.499,17.035 89.499,20.068 93.018,23.587 98.105,23.587 100.925,26.407 100.925,30.563 104.649,34.287 108.618,34.287 109.505,35.174 109.505,35.436 110.068,35.999 110.2,35.999 110.465,35.999 110.699,35.765 110.699,35.436 110.935,35.201 113.901,35.201 v1(115.1,36.4)
  BOT w0.102: U1D.AB27@87.9,17.6 v1(88.3,17.2) ; U1H.N4@114.7,36 v1(115.1,36.4)
IL07_33.LR.G2.S_P: U1D.AB28 U1H.N3 | length 41.3
  S6(H) w0.102: v1(88.306,16.401) 88.299,16.401 87.901,16.799 87.901,17.365 88.136,17.601 88.465,17.601 88.699,17.835 88.699,18.699 88.7,18.7 88.7,19.7 92.892,23.892 97.979,23.892 100.62,26.533 100.62,30.689 104.522,34.591 108.491,34.591 109.2,35.3 109.2,35.669 109.931,36.4 110.536,36.4 110.935,36.001 113.301,36.001 113.9,36.6 v1(113.9,37.2)
  BOT w0.102: U1D.AB28@87.9,16.8 88.299,16.401 v1(88.306,16.401) ; v1(113.9,37.2) 114.3,36.8 U1H.N3@114.7,36.8
IL07_33.LR.G3.D0_N: U1D.AE30 U1H.E3 | length 37.6
  S1(V) w0.102: v1(90.7,15.6) 93.1,18 96.8,18 100.1,21.3 100.1,25.4 102.404,27.704 102.404,30.804 103,31.4 103,35.4 102.8,35.6 v1(102.099,35.6)
  S5(V) w0.102: v1(102.099,35.6) 102.8,35.6 103.277,35.123 108,35.123 108.299,35.422 108.299,35.765 108.299,36.801 v1(107.9,37.2)
  BOT w0.102: U1D.AE30@90.3,15.2 v1(90.7,15.6) ; v1(107.9,37.2) U1H.E3@108.3,36.8
IL07_33.LR.G3.D0_P: U1D.AD30 U1H.F3 | length 37
  S1(V) w0.102: v1(89.9,15.6) 92.605,18.305 96.674,18.305 99.795,21.426 99.795,25.526 102.099,27.83 102.099,30.93 102.5,31.331 v1(102.5,35)
  S5(V) w0.102: v1(102.5,35) 102.682,34.818 108.483,34.818 109.099,35.435 109.099,36.801 v1(108.7,37.2) v1(108.7,37.2)
  BOT w0.102: U1D.AD30@89.5,15.2 v1(89.9,15.6) ; v1(108.7,37.2) U1H.F3@109.1,36.8
IL07_33.LR.G3.D1_N: U1D.Y32 U1H.D1 | length 39.8
  S1(V) w0.102: v1(87.5,15.6) 87.9,16 87.9,16.23 87.905,16.235 87.905,16.566 87.904,16.568 88.135,16.799 88.14,16.799 ; 88.141,16.8 88.464,16.8 88.701,17.036 88.701,17.365 88.935,17.599 89.264,17.599 89.5,17.836 89.5,18.964 94.236,23.7 96.9,23.7 98.881,25.681 98.881,25.905 101,28.024 101,31.088 101.004,31.093 ; 101,31.097 101,31.169 101.3,31.469 v1(101.3,34.4)
  S5(V) w0.102: v1(101.3,34.4) 101.3,35.365 101.934,35.999 107.099,35.999 107.101,36.001 107.265,36.001 107.5,36.236 107.5,38.4 v1(107.1,38.8)
  BOT w0.102: U1D.Y32@86.3,13.6 87.1,14.4 87.1,15.2 v1(87.5,15.6) ; v1(107.1,38.8) U1H.D1@107.5,38.4
IL07_33.LR.G3.D1_P: U1D.W31 U1H.C1 | length 39.6
  S1(V) w0.102: v1(85.9,14.8) 86.301,15.201 86.301,16.231 86.305,16.235 86.305,16.566 86.301,16.57 86.301,19.301 87.799,20.799 89.695,20.799 93.696,24.801 96.425,24.801 99.701,28.077 99.701,31.565 99.935,31.799 100.264,31.799 100.499,32.035 100.499,32.601 v1(100.1,33)
  S5(V) w0.102: v1(100.1,33) 100.101,34.601 102.299,36.799 106.3,36.799 106.302,36.801 106.465,36.801 106.699,37.035 106.699,38.401 v1(106.3,38.8)
  BOT w0.102: U1D.W31@85.5,14.4 v1(85.9,14.8) ; v1(106.3,38.8) U1H.C1@106.7,38.4
IL07_33.LR.G3.D2_N: U1D.AD29 U1H.L3 | length 56.7
  S6(H) w0.102: 89.265,15.199 88.935,15.199 ; v1(89.906,16.401) 89.901,16.401 89.499,15.999 89.499,15.435 89.265,15.201 88.936,15.201 88.935,15.199 ; 111.475,25.95 110.326,24.801 106.935,24.801 106.767,24.969 106.25,24.969 106.204,24.923 106.204,24.908 105.792,24.496 105.208,24.496 105.205,24.499 99.425,18.719 99.425,14.132 97.484,12.191 89.482,12.191 88.396,13.277 88.396,14.292 ; 111.499,25.95 111.499,31.364 113.735,33.599 116.064,33.599 116.299,33.835 116.299,36.565 116.065,36.799 115.696,36.799 114.59,37.906 113.406,37.906 v1(112.7,37.2) ; 88.396,14.292 88.396,14.332 88.699,14.635 88.699,14.964 88.701,14.965 ; 88.396,14.292 88.701,14.596 88.701,14.965 ; 88.701,14.965 88.935,15.199
  BOT w0.102: U1D.AD29@89.5,16 89.901,16.401 v1(89.906,16.401) ; v1(112.7,37.2) U1H.L3@113.1,36.8